# KiCad board mainboard.kicad_pcb (continued)
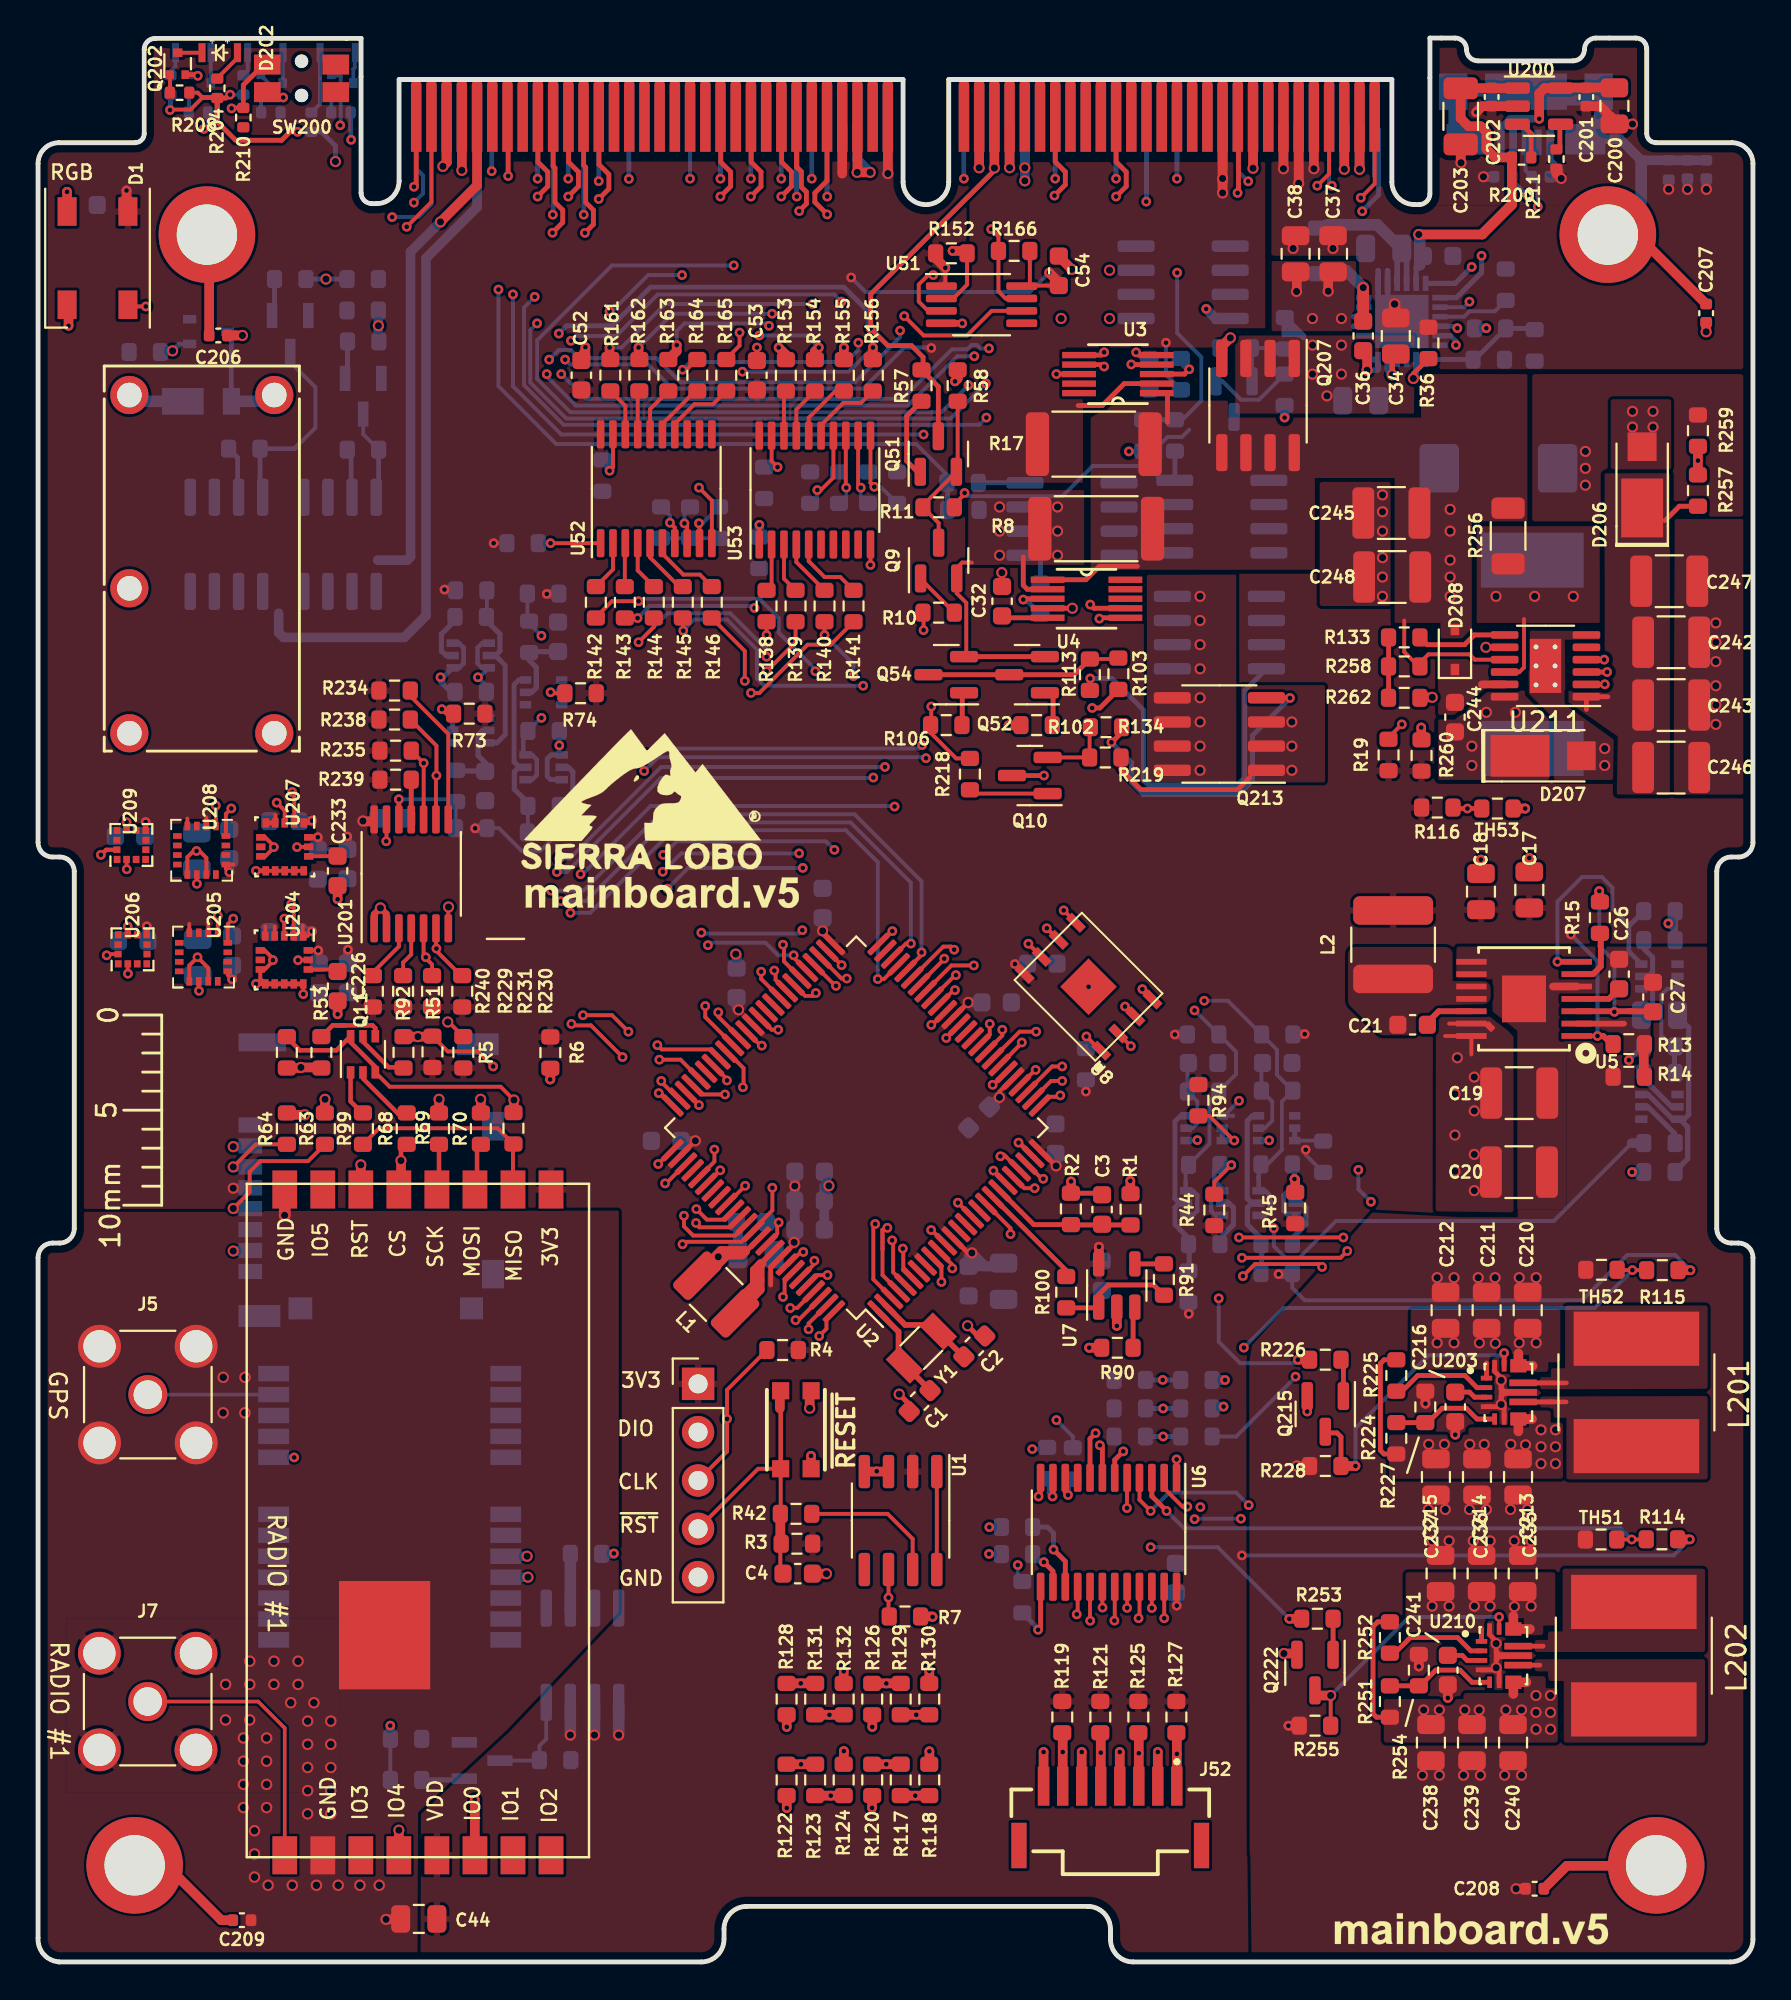
[diagram p0: board, top side]
## Routing (per net, layer and track width the routed paths; a pad name or vN(x,y) marks a point on that pad's centre or on a via; arc(x,y) is an arc through that point) (continued)
  Top w0.203: R73.2 21.47,65.63 v3(21.23,65.86)
  Bottom w0.203: v3(21.23,65.86) 21.33,65.86 Q12.3
  Bottom w0.272: Q12.2 Q12.3
Net-(Q12-Pad6): length 9.5
  Bottom w0.203: R61.2 23.6,70.74
  Bottom w0.254: 24.29,68.44 24.56,68.17 24.56,64.53 24.13,64.09
  Bottom w0.272: 24.29,68.44 24.05,68.68 ; 24.05,68.68 24.29,68.92 24.29,69.81 23.51,70.59 ; 24.05,68.68 Q7.5 ; Q12.6 24.13,64.09
Net-(Q13-Pad2): length 2
  Top w0.203: R74.2 27,66.7 v3(26.95,66.75)
  Bottom w0.203: v3(26.95,66.75) 26.96,66.74 Q13.2 Q13.3
Net-(Q13-Pad6): length 9.2
  Bottom w0.203: R72.2 25.76,59.41 R62.2
  Bottom w0.254: 25.03,63.09 25.03,67.15 25.27,67.39 Q13.6
  Bottom w0.272: 25.79,60.9 25.04,61.65 25.04,62.57 25.28,62.81 Q8.5 ; 25.31,62.81 25.03,63.09
Net-(Q15-Pad2): length 2.7
  Bottom w0.272: Q15.2 66.42,39.9 66.66,39.66 66.66,38.77 65.89,37.99
Net-(Q15-Pad5): length 9.3
  Bottom w0.272: 63.83,39.9 63.59,39.66 63.59,38.77 64.34,38.02 ; 63.83,39.9 63.58,40.14 63.58,44.21 63.85,44.48 Q18.6 ; 63.83,39.9 Q15.5 ; 64.34,37.99 64.34,36.47
Net-(Q16-Pad2): length 2.6
  Bottom w0.272: Q16.2 62.61,39.9 62.85,39.66 62.85,38.77 62.1,38.02
Net-(Q16-Pad5): length 9.3
  Bottom w0.254: 59.78,39.66 59.78,38.77 60.05,38.49 ; Q19.6 60.07,44.48 59.78,44.18 59.78,40.14
  Bottom w0.272: 60.53,38.02 60.05,38.49 ; 60.53,37.99 60.53,36.47 ; 60.02,39.9 Q16.5 ; 60.02,39.9 59.78,39.66 ; 60.02,39.9 59.78,40.14
Net-(Q18-Pad2): length 2.1
  Bottom w0.203: Q18.3 67.55,43.18
  Bottom w0.272: Q18.2 Q18.3
Net-(Q19-Pad2): length 3.7
  Top w0.203: v3(62.9,43.19) 62.87,43.19 61.58,44.48 R94.2
  Bottom w0.272: Q19.2 Q19.3 62.9,43.18 v3(62.9,43.19)
Net-(Q20-Pad4): length 9.6
  Bottom w0.203: 13.26,84.11 14.58,82.79 14.58,80.65 13.72,79.79
  Bottom w0.254: 11.67,77.36 R37.1 13.49,79.56 13.72,79.79
Net-(Q21-Pad4): length 4.5
  Bottom w0.203: 17.1,81.37 17.1,80.32 R38.1
  Bottom w0.254: R38.1 17.91,77.22
Net-(Q51-Pad1): length 4.3
  Top w0.254: R57.1 45.67,81.27 45.67,78.91 46.24,78.34
Net-(Q51-Pad2): length 8.3
  Top w0.203: R58.1 48.35,78.41 ; Q9.3 47.35,75.65 R11.1 ; 46.53,76.58 Q51.2
Net-(Q52-Pad1): length 1.9
  Top w0.254: 53.37,66.69 53.37,64.76
Net-(Q52-Pad3): length 10.3
  Top w0.203: R113.1 56.75,68.5
  Top w0.254: R113.1 54.48,67.67 Q52.3 Q54.3
Net-(Q53-Pad1): length 4.6
  Bottom w0.203: Q53.1 62.28,83.1 63.25,82.13 64.2,82.13 R105.1
Net-(Q53-Pad2): length 3.4
  Bottom w0.203: R135.1 65.5,84.86 ; Q53.2 63.84,84.81
Net-(Q54-Pad1): length 2
  Top w0.254: 48.59,66.79 48.59,64.81
Net-(Q200-Pad1): length 1.1
  Bottom w0.203: Q200.1 7.93,97.24
Net-(Q201-Pad1): length 1.1
  Bottom w0.203: Q201.1 11.72,97.25
Net-(Q202-Pad1): length 0.9
  Top w0.203: Q202.1 6.94,98.28
Net-(Q203-Pad1): length 1.1
  Bottom w0.203: R209.1 15.42,98.37
Net-(Q207-Pad4): length 2.1
  Top w0.254: v2(62.69,85.38) 62.24,84.93
  Top w0.508: v2(62.69,85.38) 62.18,84.87
  Bottom w0.508: R135.2 62.67,85.38 v2(62.69,85.38)
Net-(Q208-Pad4): length 18.8
  Top w0.508: v3(48.21,83.1) 48.35,83.24 R58.2
  In2.Cu w0.203: v3(61.42,86.91) 60.02,88.3 52.15,88.3 48.21,84.37 v3(48.21,83.1)
  Bottom w0.508: v3(61.42,86.91) 61.93,86.4 Q208.4
Net-(Q211-Pad4): length 2.5
  Bottom w0.254: R111.2 Q211.4
Net-(Q212-Pad4): length 1.5
  Bottom w0.254: R112.2 59.78,77.9
Net-(Q213-Pad4): length 16.6
  Top w0.254: v3(65.83,66.45) 65.82,66.46 Q213.4 ; 56.98,64.64 56.46,64.12 v3(56.44,64.12)
  Bottom w0.254: v3(65.83,66.45) 63.86,64.48 63.86,62.1 63.14,61.38 58.12,61.38 57.49,62 57.49,63.07 v3(56.44,64.12)
Net-(Q215-Pad1): length 1.5
  Top w0.254: 68.63,29.81 68.63,31.35
Net-(Q220-Pad4): length 19.6
  Top w0.254: R113.2 55.3,67.46 v3(55.32,67.48)
  Bottom w0.254: v3(55.32,67.48) 56.47,67.48 58.12,65.82 58.12,62.14 58.37,61.89 63.07,61.89 63.45,62.27 63.45,66.85 Q220.4
Net-(Q222-Pad1): length 1.8
  Top w0.254: R253.1 68.09,16.21
Net-(R13-Pad1): length 4.1
  Top w0.305: U5.2 83.39,49.33
  Top w0.508: 84.43,46.54 84.43,48.13
Net-(R15-Pad1): length 4
  Top w0.254: 82.17,52.74 82.17,53.8
  Top w0.305: U5.6 81.76,51.93 82.17,52.34 82.17,53.8 82.12,53.85
Net-(R18-Pad2): length 2.7
  Top w0.254: U3.3 60.28,83.48 v3(60.53,83.73)
  Bottom w0.254: 59.84,84.3 60.41,83.73 v3(60.53,83.73)
Net-(R24-Pad1): length 20.6
  In2.Cu w0.203: v3(30.28,21.48) 25.23,26.52 v3(13.47,26.52)
  Bottom w0.203: U14.8 13.46,26.53 v3(13.47,26.52)
  Bottom w0.508: v3(30.28,21.48) 30.26,21.46 R24.1
Net-(R26-Pad2): length 2.5
  Top w0.254: U4.3 51.85,71.67 v3(51.8,71.62)
  Bottom w0.254: v3(51.8,71.62) 51.93,71.62 R26.2
Net-(R36-Pad2): length 3.4
  Top w0.254: R36.2 72.31,83.5 v2(72.31,83.25)
  Bottom w0.254: U17.8 72.46,83.39 v2(72.31,83.25)
  Bottom w0.3: U17.8 72.46,83.31
Net-(R42-Pad2): length 7.5
  Top w0.203: R42.2 44.67,23.56 45.99,22.24 U1.7
Net-(R79-Pad2): length 1.6
  Top w0.254: v3(54.16,24.55) 54.01,24.69 U6.10
  Bottom w0.254: v3(54.16,24.55) 54.18,24.57 54.18,25.16
Net-(R80-Pad2): length 1.9
  Top w0.254: v3(53.34,24.47) 53.36,24.49 U6.11
  Bottom w0.254: 53.16,25.3 53.16,24.65 v3(53.34,24.47)
Net-(R81-Pad2): length 2.3
  Top w0.254: v3(52.89,21.02) 53.36,20.54 U6.14
  Bottom w0.254: R81.2 52.72,21.02 v3(52.89,21.02)
Net-(R88-Pad2): length 3.5
  Top w0.254: v3(52.58,17.46) 52.71,17.59 U6.13
  Bottom w0.254: 51.78,18.33 52.58,17.52 v3(52.58,17.46)
Net-(R89-Pad2): length 4.3
  Top w0.254: v3(53.39,21.68) 54.01,21.06 U6.15
  Bottom w0.254: v3(53.39,21.68) 53.39,22.54 53.07,22.86 R89.2
Net-(R90-Pad2): length 2
  Top w0.254: R90.2 57.58,34.33
Net-(R91-Pad1): length 1.5
  Top w0.254: U7.4 59.19,36.7
Net-(R100-Pad1): length 6.2
  Top w0.254: R100.1 55.73,34.39 ; U7.1 55.77,35.08 56.28,35.59 58.66,35.59 R91.2
Net-(R133-Pad1): length 4.8
  Top w0.254: R133.1 73.04,69.25 75.01,69.25 75.52,69.76 U211.7
Net-(R133-Pad2): length 3.3
  Top w0.254: 71.01,69.76 R262.1
Net-(R136-Pad2): length 3.3
  Top w0.203: v3(26.95,74.59) U52.1
  Bottom w0.203: R136.2 v3(26.95,74.59)
Net-(R137-Pad2): length 2.7
  Top w0.203: v3(30.05,78.4) 30.23,78.58 U52.19
  Bottom w0.203: R137.2 29.67,78.78 v3(30.05,78.4)
Net-(R138-Pad2): length 2.5
  Top w0.203: U53.2 38.57,72.38 R138.2
Net-(R139-Pad2): length 2.7
  Top w0.203: R139.2 39.22,72.72 U53.3
Net-(R140-Pad2): length 3
  Top w0.203: U53.4 39.87,73.59 R140.2
Net-(R141-Pad2): length 3.9
  Top w0.203: U53.5 40.52,73.64 41.35,72.81 42.18,72.81 R141.2
Net-(R142-Pad2): length 2.7
  Top w0.203: R142.2 30.23,73.21 U52.2
Net-(R143-Pad2): length 2.3
  Top w0.203: U52.3 30.85,74.56 R143.2
Net-(R144-Pad2): length 2.6
  Top w0.203: R144.2 31.53,73.15 U52.4
Net-(R145-Pad2): length 3.1
  Top w0.203: U52.5 32.18,73.84 33.71,72.31 R145.2
Net-(R146-Pad2): length 3.9
  Top w0.203: U52.6 32.83,74.04 33.93,72.94 34.8,72.94 R146.2
Net-(R147-Pad2): length 2.2
  Top w0.203: v3(33.22,75.66) 33.48,75.41 U52.7
  Bottom w0.203: R147.2 33.22,76.03 v3(33.22,75.66)
Net-(R148-Pad2): length 2.1
  Top w0.203: v3(33.99,75.63) 34.13,75.49 U52.8
  Bottom w0.203: R148.2 33.99,76.2 v3(33.99,75.63)
Net-(R149-Pad2): length 2.5
  Top w0.203: v3(34.75,75.64) 34.78,75.61 U52.9
  Bottom w0.203: v3(34.75,75.64) 34.95,75.64 R149.2
Net-(R150-Pad2): length 2.5
  Top w0.203: v3(37.93,75.55) 37.92,75.55 U53.1
  Bottom w0.203: 37.54,74.9 37.93,75.29 v3(37.93,75.55)
  Bottom w0.508: v3(37.93,75.55) 37.93,74.92 R150.2
Net-(R151-Pad2): length 2.5
  Top w0.203: U53.19 38.57,78.9 v3(38.88,78.59)
  Bottom w0.203: v3(38.88,78.59) R151.2
Net-(R153-Pad1): length 2.4
  Top w0.203: R153.1 39.22,82.49 U53.18
Net-(R154-Pad1): length 2.7
  Top w0.203: U53.17 39.87,81.61 R154.1
Net-(R155-Pad1): length 3.4
  Top w0.203: R155.1 41.93,82.59 40.52,81.18 U53.16
Net-(R156-Pad1): length 4
  Top w0.203: R156.1 43.27,81.96 42.34,81.96 41.17,80.8 U53.15
Net-(R157-Pad1): length 4.2
  Top w0.203: v3(40.97,77.38) 41.16,77.38 41.82,78.04 U53.14
  Bottom w0.203: v3(40.97,77.38) 40.97,77.06 R157.1
Net-(R158-Pad1): length 3.7
  Top w0.203: v3(42.5,77.51) 42.47,77.53 U53.13
  Bottom w0.203: R158.1 42.5,77.06 v3(42.5,77.51)
Net-(R159-Pad1): length 3.8
  Top w0.203: v3(43.26,77.51) 43.12,77.65 U53.12
  Bottom w0.203: v3(43.26,77.51) 43.26,77.06 R159.1
Net-(R160-Pad1): length 4.3
  Top w0.203: v3(43.97,77.55) 43.77,77.75 U53.11
  Bottom w0.203: R160.1 44.29,77.55 v3(43.97,77.55)
Net-(R161-Pad1): length 2.6
  Top w0.203: R161.1 30.88,81.81 U52.18
Net-(R162-Pad1): length 2.3
  Top w0.203: R162.1 31.53,82.51 U52.17
Net-(R163-Pad1): length 2.7
  Top w0.203: R163.1 32.18,81.63 U52.16
Net-(R164-Pad1): length 3.1
  Top w0.203: U52.15 32.83,80.86 34.56,82.59 R164.1
Net-(R165-Pad1): length 4
  Top w0.203: U52.14 33.48,80.86 34.51,81.89 35.49,81.89 R165.1
Net-(R167-Pad1): length 3.8
  Bottom w0.203: U17.3 74.98,86.5 75.26,86.78 76.6,86.78 R167.1
Net-(R224-Pad2): length 5.4
  Top w0.254: 71.72,28.35 73.12,28.35 ; 73.12,28.36 73.12,28.4 73.83,29.11 75.1,29.11 75.66,28.54 U203.5
Net-(R225-Pad2): length 5
  Top w0.254: U203.2 75.66,30.19 75.02,30.83 72.55,30.83 71.72,30.01
Net-(R229-Pad2): length 2.7
  Top w0.203: R229.2 19.19,52.54 19.62,52.97 U201.4
Net-(R234-Pad2): length 7.6
  Top w0.203: U201.8 21.57,64.56 19.57,66.55 R234.2
Net-(R239-Pad2): length 2.1
  Top w0.254: R239.2 U201.11
Net-(R240-Pad2): length 3
  Top w0.203: 17.77,51.85 17.77,52.18 18.97,53.38 U201.3
Net-(R251-Pad2): length 5.6
  Top w0.254: 71.33,14.52 72.73,14.52 ; 72.73,14.58 73.49,15.34 74.76,15.34 75.4,14.7 U210.5
Net-(R252-Pad2): length 5.2
  Top w0.254: U210.2 75.34,16.35 74.63,17.06 72.16,17.06 71.33,16.23
Net-(R257-Pad2): length 16.9
  Top w0.254: U211.2 82.37,67.16 v3(82.38,67.17)
  Top w0.508: R259.1 R257.2
  In2.Cu w0.203: v3(87.28,78.93) 85.58,77.23 85.58,69.28 84.03,67.73 83.14,67.73 82.58,67.17 v3(82.38,67.17)
Net-(U1-Pad1): length 5.2
  Top w0.203: U1.1 U1.8

## Copper pours and planes (outline as drawn; the poured copper is in the pictures)
3.3V on Top: 88.16,0 1.99,0 1.68,0.02 1.37,0.1 1.08,0.22 0.81,0.38 0.58,0.59 0.37,0.82 0.21,1.09 0.09,1.38 -0.01,2 0.21,101.13 16.97,101.13 16.97,94.65 73.23,94.65 73.23,101.13 90.12,101.13 90.16,93.88 90.16,2 90.14,1.69 90.06,1.38 89.94,1.09 89.78,0.82 89.57,0.59 89.34,0.38 89.07,0.22 88.78,0.1
3.3V on Top: 68.88,53.56 68.88,56.56 74.08,56.56 74.48,56.16 80.08,56.16 80.08,53.56
3.3V on Bottom: 31.24,9.84 27.28,9.84 27.28,14.92 31.24,14.92
GND on Top: 15.83,8.93 1.48,8.93 1.48,18.07 15.83,18.07
GND on Top: 11.89,39.48 30.54,39.5 30.53,30.2 30.53,18.39 24.64,12.18 19.98,7.86 19.95,0.12 32.31,0.23 63.81,0.14 63.74,5.6 63.71,5.63 63.69,31.55 63.83,32.42 70.16,39.4 74.75,39.15 77.8,39.15 77.8,48.93 76.53,49.95 76.53,51.73 74.56,51.78 74.63,53.38 90.12,53.38 90.22,0.04 0.05,0.04 0.05,39.43 11.86,39.43
GND on Top: 77.78,39.56 77.78,48.96 76.48,49.96 76.48,51.66 74.58,51.66 74.58,53.36 80.08,53.36 80.1,48.53 80.38,48.16 80.38,39.56
GND on Top: 90.25,61.38 85.17,61.38 85.17,62.14 79.71,62.14 79.71,65.32 78.39,66.64 78.34,69.99 82.12,69.96 82.12,69.51 80.28,69.51 80.32,66.08 83.01,64.15 86.01,64.15 86.06,75.86 90.12,75.86
GND on Top: 71.2,71.29 67.39,71.29 67.39,77.89 71.2,77.89
GND on Top: 90.12,75.98 82.37,75.98 82.37,75.73 78.56,75.73 78.56,83.48 90.12,83.48
GND on Bottom: 13.82,31.03 19.76,31.03 19.76,28.99 13.82,28.99 13.82,20.1 1.37,20.1 1.37,39.41 13.82,39.41
GND on Bottom: 16.97,101.13 16.97,94.65 73.1,94.65 73.23,101.13 90.12,101.13 90.16,93.88 90.16,2 90.14,1.69 90.06,1.38 89.94,1.09 89.78,0.82 89.57,0.59 89.34,0.38 89.07,0.22 88.78,0.1 88.16,0 1.99,0 1.68,0.02 1.37,0.1 1.08,0.22 0.81,0.38 0.58,0.59 0.37,0.82 0.21,1.09 0.09,1.38 -0.01,2 -0.01,101.13
GND on Bottom: 8.94,35.55 32.21,35.55 32.21,3.98 11.25,3.95 11.25,19.04 8.94,19.04
GND on In1.Cu: 0.02,101.13 16.97,101.13 16.91,94.65 73.17,94.65 73.17,101.13 90.12,101.13 90.25,0.04 -0.05,0.04
GND on In2.Cu: -0.05,40.42 10.72,40.42 21.48,34.71 21.52,0.06 -0.04,0.05
GND on In3.Cu: -0.05,40.42 10.72,40.42 21.48,34.71 21.52,0.06 -0.04,0.05
GND on In4.Cu: 90.15,8.46 75.1,8.46 75.1,18.75 90.15,18.75
GND on In4.Cu: -0.05,40.42 10.72,40.42 21.48,34.71 21.48,27.85 20.02,27.47 19.51,26.2 10.72,19.53 -0.05,19.53
GND on In4.Cu: 88.16,0 1.99,0 1.68,0.02 1.37,0.1 1.08,0.22 0.81,0.38 0.58,0.59 0.37,0.82 0.21,1.09 0.09,1.38 -0.01,2 -0.05,19.14 0.21,101.13 16.97,101.13 16.97,94.65 73.23,94.65 73.23,101.13 90.12,101.13 90.16,93.88 90.16,2 90.14,1.69 90.06,1.38 89.94,1.09 89.78,0.82 89.57,0.59 89.34,0.38 89.07,0.22 88.78,0.1
GNDREF on Top: 90.19,92.37 82.5,92.37 73.21,92.34 73.23,101.13 90.12,101.13
GNDREF on Top: 73.26,94.65 73.23,101.13 90.12,101.13 90.12,83.73 70.31,83.73 70.31,87.29 69.42,88.56 69.42,89.7 64.85,89.7 64.85,94.65
GNDREF on Bottom: 73.23,101.13 73.23,94.65 59.87,94.62 59.78,80.43 71.35,80.37 75.25,80.37 75.26,81.32 90.12,81.19 90.12,101.13
VBATT on Top: 64.53,85.89 62.56,85.89 62.56,84.87 54.05,84.87 54.94,82.08 54.94,77.76 48.29,77.76 48.36,81.72 46.46,83.76 46.51,87.97 48.97,90.56 48.97,94.63 54.8,94.62 64.53,94.62
VBUS on Top: 79.78,20.49 79.78,17.69 79.14,17.69 79.14,17.18 78.13,17.18 78.13,18.07 76.09,18.07 76.09,17.31 71.9,17.31 71.9,20.49
VBUS on Top: 80.04,34.32 80.04,31.53 79.41,31.53 79.41,31.02 78.39,31.02 78.39,31.91 76.36,31.91 76.36,31.15 72.17,31.15 72.17,32.29 72.18,34.32
VBUS on Top: 63,62.02 58.3,62.01 58.3,72.93 63,72.93
VBUS on Top: 73.48,39.46 73.5,49.52 73.68,49.86 76.16,49.83 77.28,48.96 77.58,48.66 77.58,39.41
VBUS on Bottom: 63,62.01 58.3,62.01 58.3,72.3 63,72.3
VBUS on In2.Cu: 90.12,-0.01 74.37,0.14 60.1,0.06 59.79,20.28 63.83,24.27 63.96,32.8 68.91,37 64.82,46.7 58.24,55.41 58.24,77.69 72.67,77.69 72.67,71.03 72.73,71.06 72.86,64.49 90.03,64.42
VBUS_INHIBIT on Top: 55,73.44 48.91,73.44 48.91,77.38 55,77.38
VBUS_INHIBIT on Bottom: 54.49,73.44 48.91,73.44 48.91,77.13 54.49,77.13
VBUS_USB on Top: 64.86,85.74 64.86,89.42 69.3,89.42 69.36,85.74
VBUS_USB on Top: 67.67,62.01 63.26,62.01 63.26,67.12 67.67,67.12
VBUS_USB on Bottom: 65.42,85.8 65.42,88.6 69.04,88.66 69.68,88.02 69.68,86.75 70.18,86.75 70.18,85.8
VBUS_USB on In3.Cu: 69.29,89.45 69.29,77.89 67.64,77.89 67.64,62.01 62.82,62.01 62.82,89.45
VCC_MHX on Top: 75.21,27.72 75.21,28.1 78.39,28.1 78.39,28.99 79.53,28.99 79.53,28.36 80.17,28.36 80.18,25.41 71.04,25.41 71.02,27.72
VCC_MHX on In3.Cu: 90.12,24.8 60.28,24.8 46.35,24.8 46.23,100.88 90.12,101.13
VCC_PAYLOAD on Top: 74.95,13.82 74.95,14.14 78.13,14.14 78.13,15.02 79.27,15.02 79.27,14.39 79.9,14.39 79.9,11.53 70.76,11.53 70.76,13.82
VCC_PAYLOAD on In3.Cu: 45.16,71.79 45.54,23.99 90.12,23.99 90.25,0.04 -0.05,0.04 0.08,101.13 44.91,100.88
/Burn Wires/VBURN_A_IN on Bottom: 3.16,78.42 18.53,78.42 18.53,74.35 6.59,74.35 6.59,70.41 3.16,70.41
/SLI_Card/CHS on In3.Cu: 88.17,0.01 2,0.01 1.69,0.03 1.38,0.1 1.09,0.22 0.82,0.39 0.59,0.59 0.38,0.83 0.22,1.1 0.1,1.39 0,2.01 0.22,101.14 16.98,101.14 16.98,94.66 73.24,94.66 73.24,101.14 90.13,101.14 90.17,93.89 90.17,2.01 90.15,1.69 90.07,1.39 89.95,1.1 89.79,0.83 89.58,0.59 89.35,0.39 89.08,0.22 88.79,0.1
GPS_PWR_IN on Bottom: 23.67,19.93 31.29,19.93 31.29,17.26 23.67,17.26
VBURN1 on Bottom: 6.78,74.22 12.93,74.22 12.93,70.44 6.78,70.44
VBURN2 on Bottom: 13.08,74.22 20.14,74.21 20.12,70.43 19.38,69.63 13.08,69.63
VCHRG on Top: 72.72,81.19 72.72,83.48 78.31,83.48 78.31,75.73 75.39,75.73 75.39,69.25 73.74,69.25 73.74,70.4 71.33,70.4 71.33,78.02 67.13,78.02 67.13,73.19 55.35,73.19 55.35,81.19 56.85,82.08 62.56,82.08 62.56,81.19
VCHRG on Bottom: 75.14,71.29 71.58,71.29 71.58,80.18 75.26,80.18
VCHRG_USB on Top: 72.35,81.19 62.95,81.19 62.95,85.51 72.38,85.51
VCHRG_USB on Bottom: 70.57,83.73 70.57,81.32 69.04,81.32 66.25,81.29 66.25,85.26 65.28,85.2 65.27,85.64 71.58,85.67 71.58,84.53
VSOLAR on Top: 85.87,82.15 85.87,78.47 82.69,78.47 82.69,82.15
VSOLAR on In4.Cu: 90.25,75.6 57.18,75.65 52.91,79.92 19.08,79.39 19.08,93.99 71.02,94.12 71.02,91.83 76.99,87.01 89.94,87.01 90.2,86.88
Net-(C21-Pad1) on Top: 73.87,50.31 72.6,49.02 72.6,48.72 70.58,48.72 68.88,50.36 68.88,53.36 74.38,53.36 74.38,51.56 76.38,51.56 76.38,50.36
Net-(C242-Pad1) on Top: 85.8,61.38 83.01,61.38 83.06,64.43 80.47,66.23 80.47,66.84 82.5,66.84 82.37,69.01 82.37,78.26 85.8,78.27
Net-(C244-Pad1) on Top: 79.45,62.14 73.62,62.14 73.62,65.32 74.5,65.31 76.28,66.84 78.18,66.84 78.18,66.59 79.45,65.32
Net-(C244-Pad1) on Bottom: 81.59,62.12 74.83,62.12 74.83,66.13 81.59,66.13
Net-(C244-Pad2) on Top: 76.3,68.47 76.28,67.4 76.28,66.9 76.25,66.89 74.53,65.57 73.61,65.57 73.61,68.75 75.14,68.75
Net-(L201-Pad1) on Top: 87.79,30.13 79.66,30.11 78.97,30.11 78.97,30.74 79.55,30.74 79.55,31.21 80.29,31.21 80.29,34.51 87.79,34.51
Net-(L201-Pad2) on Top: 87.79,29.75 87.79,25.37 80.36,25.37 80.36,28.61 79.66,28.61 79.67,29.09 78.97,29.09 78.97,29.73
Net-(L202-Pad1) on Top: 87.65,16.29 78.7,16.29 78.7,16.93 79.4,16.93 79.4,17.37 80.16,17.37 80.16,20.68 87.65,20.68
Net-(L202-Pad2) on Top: 87.65,15.91 87.65,11.53 80.22,11.53 80.22,14.77 79.4,14.77 79.4,15.28 78.7,15.28 78.7,15.91
Net-(L203-Pad1) on Top, Bottom: 82.12,70.4 75.64,70.4 75.64,75.48 82.12,75.48
Net-(Q211-Pad5) on Bottom: 61.22,73.32 55.51,73.32 55.51,78.65 61.22,78.65
Net-(Q212-Pad5) on Bottom: 66.69,67.35 63.26,67.35 63.26,72.56 63,72.56 63,78.65 66.69,78.65
Net-(R13-Pad1) on Top: 84.78,47.58 82.75,47.58 82.24,48.7 81.96,48.7 81.96,49.97 84.78,49.97

## Text on the board
B.Mask: HILLIS
B.Silkscreen: SWDIO | SWCLK | 3V3 | ~{RESET} | GND | GPS | RADIO #1 | 1
User.Comments: Copper Layer Count: | Board overall dimensions: | Min track/spacing: | Copper Finish: | Castellated pads: | Edge card connectors: | 6 | 3550.00 mils x 3982.07 mils | 6.00 mils / 5.00 mils | ENIG | No | Yes, Bevelled | Board Thickness: | Min hole diameter: | Impedance Control: | Plated Board Edge: | 62.99 mils | 10.00 mils | Assemble with leaded solder. / Green soldermask, White silkscreen. / Fabricate on TU-862 HF. / 1oz outer, 1oz inner copper. / ToDo: / Variant with Isola FR408HR | BOARD CHARACTERISTICS | NOTES:
F.Mask: HILLIS
F.Silkscreen: GND | IO5 | RST | IO3 | IO4 | CS | SCK | VDD | MOSI | IO0 | IO1 | MISO | IO2 | 3V3 | RGB | DIO | CLK | ~{RST} | GPS | RADIO #1 | ~{RESET}
